# Altium PCB PCB ASCII (pokey v1.0-A01).PcbDoc (part 4 of 5)
Units mil, origin at the board's own origin, x right, y up, seen from the top; angles counter-clockwise.
Board outline 14208.66 x 3708.66 mil, 4 copper layers (Top Layer, Mid-Layer 1, Mid-Layer 2, Bottom Layer), stack 61.2 mil thick; 385 components, 209 nets, 1413 pads, 947 vias.
Unrouted connection lines stored in the file: 121.
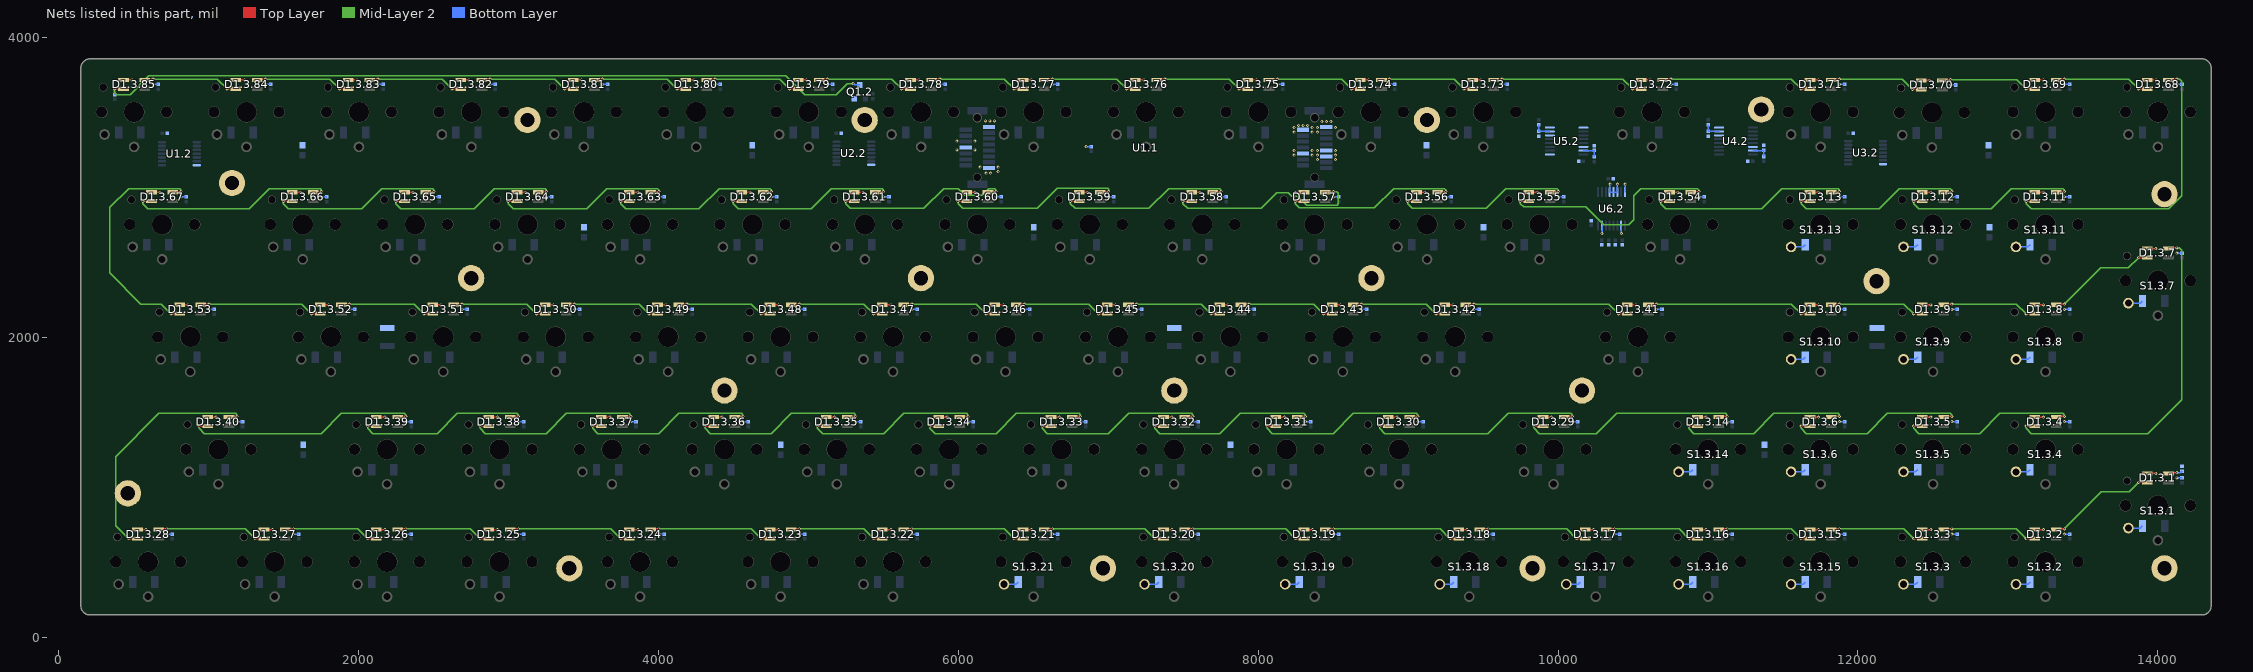
[diagram p6: the nets of this part, all layers, seen from the top]

## Via types
v1: diameter 20, hole 10, Top Layer to Bottom Layer, tented both sides, 946 vias
v2: diameter 20, hole 10, Top Layer to Bottom Layer, 1 vias

## Nets (pads, with @x,y where several pads share a name; then routed paths per layer and width w, separated by ;. In a path a pad name is that pad's centre, name@x,y a point inside that pad or via, vN(x,y) a via of type N, cw(c..) or ccw(c..) an arc to the next point about the centre after c; other vN are vias at no path point) (continued)
GND: C1.1.1 C1.2.2 C1.3.1.2 C1.3.2.2 C1.3.3.2 C1.3.4.2 C1.3.5.2 C1.3.6.2 C1.3.7.2 C1.3.8.2 C1.3.9.2 C1.3.10.2 C1.3.11.2 C1.3.12.2 C1.3.13.2 C1.3.14.2 C1.3.15.2 C1.3.16.2 C1.3.17.2 C1.3.18.2 C1.3.19.2 C1.3.20.2 C1.3.21.2 C1.3.22.2 C1.3.23.2 C1.3.24.2 C1.3.25.2 C1.3.26.2 C1.3.27.2 C1.3.28.2 C1.3.29.2 C1.3.30.2 C1.3.31.2 C1.3.32.2 C1.3.33.2 C1.3.34.2 C1.3.35.2 C1.3.36.2 C1.3.37.2 C1.3.38.2 C1.3.39.2 C1.3.40.2 C1.3.41.2 C1.3.42.2 C1.3.43.2 C1.3.44.2 C1.3.45.2 C1.3.46.2 C1.3.47.2 C1.3.48.2 C1.3.49.2 C1.3.50.2 C1.3.51.2 C1.3.52.2 C1.3.53.2 C1.3.54.2 C1.3.55.2 C1.3.56.2 C1.3.57.2 C1.3.58.2 C1.3.59.2 C1.3.60.2 C1.3.61.2 C1.3.62.2 C1.3.63.2 C1.3.64.2 C1.3.65.2 C1.3.66.2 C1.3.67.2 C1.3.68.2 C1.3.69.2 C1.3.70.2 C1.3.71.2 C1.3.72.2 C1.3.73.2 C1.3.74.2 C1.3.75.2 C1.3.76.2 C1.3.77.2 C1.3.78.2 C1.3.79.2 C1.3.80.2 C1.3.81.2 C1.3.82.2 C1.3.83.2 C1.3.84.2 C1.3.85.2 C2.1.1 C2.2.2 C3.1.1 C3.2.2 C4.1.1 C4.2.1 C5.1.1 C5.2.2 C6.1.1 C6.2.2 C7.1.1 C7.2.1 C8.1.1 C8.2.2 C9.1.1 C9.2.1 C10.1.1 C10.2.2 C11.1.1 C12.1.1 C13.1.1 C14.1.1 C15.1.1 D1.3.1.3 D1.3.2.3 D1.3.3.3 D1.3.4.3 D1.3.5.3 D1.3.6.3 D1.3.7.3 D1.3.8.3 D1.3.9.3 D1.3.10.3 D1.3.11.3 D1.3.12.3 D1.3.13.3 D1.3.14.3 D1.3.15.3 D1.3.16.3 D1.3.17.3 D1.3.18.3 D1.3.19.3 D1.3.20.3 D1.3.21.3 D1.3.22.3 D1.3.23.3 D1.3.24.3 D1.3.25.3 D1.3.26.3 D1.3.27.3 D1.3.28.3 D1.3.29.3 D1.3.30.3 D1.3.31.3 D1.3.32.3 D1.3.33.3 D1.3.34.3 D1.3.35.3 D1.3.36.3 D1.3.37.3 D1.3.38.3 D1.3.39.3 D1.3.40.3 D1.3.41.3 D1.3.42.3 D1.3.43.3 D1.3.44.3 D1.3.45.3 D1.3.46.3 D1.3.47.3 D1.3.48.3 D1.3.49.3 D1.3.50.3 D1.3.51.3 D1.3.52.3 D1.3.53.3 D1.3.54.3 D1.3.55.3 D1.3.56.3 D1.3.57.3 D1.3.58.3 D1.3.59.3 D1.3.60.3 D1.3.61.3 D1.3.62.3 D1.3.63.3 D1.3.64.3 D1.3.65.3 D1.3.66.3 D1.3.67.3 D1.3.68.3 D1.3.69.3 D1.3.70.3 D1.3.71.3 D1.3.72.3 D1.3.73.3 D1.3.74.3 D1.3.75.3 D1.3.76.3 D1.3.77.3 D1.3.78.3 D1.3.79.3 D1.3.80.3 D1.3.81.3 D1.3.82.3 D1.3.83.3 D1.3.84.3 D1.3.85.3 pad.0 Q1.2.2 R6.2.1 R8.2.1 R9.2.1 R10.2.1 R11.2.1 R12.2.1 U1.1.1 U1.1.2 U1.1.9 U1.1.10 U1.1.11 U1.1.16 U1.1.23 U1.1.30 U1.2.7 U2.2.7 U3.2.7 U4.2.6 U4.2.8 U4.2.14 U5.2.1 U5.2.6 U5.2.8 U5.2.9 U5.2.14 U6.2.4 U6.2.5 U6.2.6 U6.2.8 U6.2.10 U6.2.15 | length 8112.8
  Top Layer w10: D1.3.85.3@430.55,3717.93 486.63,3717.93 v1(487.07,3717.5) ; D1.3.28.3@524.3,717.93 580.38,717.93 v1(580.82,717.5) ; D1.3.67.3@618.05,2967.93 674.13,2967.93 v1(674.57,2967.5) ; D1.3.53.3@805.55,2217.93 861.63,2217.93 v1(862.07,2217.5) ; D1.3.40.3@993.05,1467.93 1049.13,1467.93 v1(1049.57,1467.5) ; D1.3.84.3@1180.55,3717.93 1236.63,3717.93 v1(1237.07,3717.5) ; D1.3.27.3@1368.05,717.93 1424.13,717.93 v1(1424.57,717.5) ; D1.3.66.3@1555.55,2967.93 1611.63,2967.93 v1(1612.07,2967.5) ; D1.3.52.3@1743.05,2217.93 1799.13,2217.93 v1(1799.57,2217.5) ; D1.3.83.3@1930.55,3717.93 1986.63,3717.93 v1(1987.07,3717.5) ; D1.3.26.3@2118.05,717.93 2174.13,717.93 v1(2174.57,717.5) ; D1.3.39.3@2118.05,1467.93 2174.13,1467.93 v1(2174.57,1467.5) ; D1.3.65.3@2305.55,2967.93 2361.63,2967.93 v1(2362.07,2967.5) ; D1.3.51.3@2493.05,2217.93 2549.13,2217.93 v1(2549.57,2217.5) ; D1.3.82.3@2680.55,3717.93 2736.63,3717.93 v1(2737.07,3717.5) ; D1.3.25.3@2868.05,717.93 2924.13,717.93 v1(2924.57,717.5) ; D1.3.38.3@2868.05,1467.93 2924.13,1467.93 v1(2924.57,1467.5) ; D1.3.64.3@3055.55,2967.93 3111.63,2967.93 v1(3112.07,2967.5) ; D1.3.50.3@3243.05,2217.93 3299.13,2217.93 v1(3299.57,2217.5) ; D1.3.81.3@3430.55,3717.93 3486.63,3717.93 v1(3487.07,3717.5) ; D1.3.37.3@3618.05,1467.93 3674.13,1467.93 v1(3674.57,1467.5) ; D1.3.24.3@3805.55,717.93 3861.63,717.93 v1(3862.07,717.5) ; D1.3.63.3@3805.55,2967.93 3861.63,2967.93 v1(3862.07,2967.5) ; D1.3.49.3@3993.05,2217.93 4049.13,2217.93 v1(4049.57,2217.5) ; D1.3.80.3@4180.55,3717.93 4236.63,3717.93 v1(4237.07,3717.5) ; D1.3.36.3@4368.05,1467.93 4424.13,1467.93 v1(4424.57,1467.5) ; D1.3.62.3@4555.55,2967.93 4611.63,2967.93 v1(4612.07,2967.5) ; D1.3.23.3@4743.05,717.93 4799.13,717.93 v1(4799.57,717.5) ; D1.3.48.3@4743.05,2217.93 4799.13,2217.93 v1(4799.57,2217.5) ; D1.3.79.3@4930.55,3717.93 4986.63,3717.93 v1(4987.07,3717.5) ; D1.3.35.3@5118.05,1467.93 5174.13,1467.93 v1(5174.57,1467.5) ; D1.3.61.3@5305.55,2967.93 5361.63,2967.93 v1(5362.07,2967.5) ; D1.3.22.3@5493.05,717.93 5549.13,717.93 v1(5549.57,717.5) ; D1.3.47.3@5493.05,2217.93 5549.13,2217.93 v1(5549.57,2217.5) ; D1.3.78.3@5680.55,3717.93 5736.63,3717.93 v1(5737.07,3717.5) ; D1.3.34.3@5868.05,1467.93 5924.13,1467.93 v1(5924.57,1467.5) ; D1.3.60.3@6055.55,2967.93 6111.63,2967.93 v1(6112.07,2967.5) ; D1.3.46.3@6243.05,2217.93 6299.13,2217.93 v1(6299.57,2217.5) ; D1.3.21.3@6430.55,717.93 6486.63,717.93 v1(6487.07,717.5) ; D1.3.77.3@6430.55,3717.93 6486.63,3717.93 v1(6487.07,3717.5) ; D1.3.33.3@6618.05,1467.93 6674.13,1467.93 v1(6674.57,1467.5) ; D1.3.59.3@6805.55,2967.93 6861.63,2967.93 v1(6862.07,2967.5) ; D1.3.45.3@6993.05,2217.93 7049.13,2217.93 v1(7049.57,2217.5) ; D1.3.76.3@7180.55,3717.93 7236.63,3717.93 v1(7237.07,3717.5) ; D1.3.20.3@7368.05,717.93 7424.13,717.93 v1(7424.57,717.5) ; D1.3.32.3@7368.05,1467.93 7424.13,1467.93 v1(7424.57,1467.5) ; D1.3.58.3@7555.55,2967.93 7611.63,2967.93 v1(7612.07,2967.5) ; D1.3.44.3@7743.05,2217.93 7799.13,2217.93 v1(7799.57,2217.5) ; D1.3.75.3@7930.55,3717.93 7986.63,3717.93 v1(7987.07,3717.5) ; D1.3.31.3@8118.05,1467.93 8174.13,1467.93 v1(8174.57,1467.5) ; v1(8250,2965) 8302.61,2965 D1.3.57.3@8305.55,2967.93 ; D1.3.19.3@8305.55,717.93 8361.63,717.93 v1(8362.07,717.5) ; D1.3.43.3@8493.05,2217.93 8549.13,2217.93 v1(8549.57,2217.5) ; D1.3.74.3@8680.55,3717.93 8736.63,3717.93 v1(8737.07,3717.5) ; D1.3.30.3@8868.05,1467.93 8924.13,1467.93 v1(8924.57,1467.5) ; D1.3.56.3@9055.55,2967.93 9111.63,2967.93 v1(9112.07,2967.5) ; D1.3.42.3@9243.05,2217.93 9299.13,2217.93 v1(9299.57,2217.5) ; D1.3.18.3@9336.8,717.93 9392.88,717.93 v1(9393.32,717.5) ; D1.3.73.3@9430.55,3717.93 9486.63,3717.93 v1(9487.07,3717.5) ; D1.3.55.3@9805.55,2967.93 9861.63,2967.93 v1(9862.07,2967.5) ; D1.3.29.3@9899.3,1467.93 9955.38,1467.93 v1(9955.82,1467.5) ; D1.3.17.3@10180.55,717.93 10236.63,717.93 v1(10237.07,717.5) ; D1.3.41.3@10461.8,2217.93 10517.88,2217.93 v1(10518.32,2217.5) ; D1.3.72.3@10555.55,3717.93 10611.63,3717.93 v1(10612.07,3717.5) ; D1.3.54.3@10743.05,2967.93 10799.13,2967.93 v1(10799.57,2967.5) ; D1.3.16.3@10930.55,717.93 10986.63,717.93 v1(10987.07,717.5) ; D1.3.14.3@10930.55,1467.93 10986.63,1467.93 v1(10987.07,1467.5) ; D1.3.15.3@11680.55,717.93 11736.63,717.93 v1(11737.07,717.5) ; D1.3.6.3@11680.55,1467.93 11736.63,1467.93 v1(11737.07,1467.5) ; D1.3.10.3@11680.55,2217.93 11736.63,2217.93 v1(11737.07,2217.5) ; D1.3.13.3@11680.55,2967.93 11736.63,2967.93 v1(11737.07,2967.5) ; D1.3.71.3@11680.55,3717.93 11736.63,3717.93 v1(11737.07,3717.5) ; D1.3.70.3@12422.34,3714.12 12478.42,3714.12 v1(12478.86,3713.68) ; D1.3.3.3@12430.55,717.93 12486.63,717.93 v1(12487.07,717.5) ; D1.3.5.3@12430.55,1467.93 12486.63,1467.93 v1(12487.07,1467.5) ; D1.3.9.3@12430.55,2217.93 12486.63,2217.93 v1(12487.07,2217.5) ; D1.3.12.3@12430.55,2967.93 12486.63,2967.93 v1(12487.07,2967.5) ; D1.3.2.3@13180.55,717.93 13236.63,717.93 v1(13237.07,717.5) ; D1.3.4.3@13180.55,1467.93 13236.63,1467.93 v1(13237.07,1467.5) ; D1.3.8.3@13180.55,2217.93 13236.63,2217.93 v1(13237.07,2217.5) ; D1.3.11.3@13180.55,2967.93 13236.63,2967.93 v1(13237.07,2967.5) ; D1.3.69.3@13180.55,3717.93 13236.63,3717.93 v1(13237.07,3717.5) ; D1.3.1.3@13930.55,1092.93 13986.63,1092.93 v1(13987.07,1092.5) ; D1.3.7.3@13930.55,2592.93 13986.63,2592.93 v1(13987.07,2592.5) ; D1.3.68.3@13930.55,3717.93 13986.63,3717.93 v1(13987.07,3717.5)
  Bottom Layer w10: v1(627.07,3687.5) C1.3.85.2@662.07,3687.5 ; v1(720.82,687.5) C1.3.28.2@755.82,687.5 ; v1(814.57,2937.5) C1.3.67.2@849.57,2937.5 ; v1(1002.07,2187.5) C1.3.53.2@1037.07,2187.5 ; v1(1189.57,1437.5) C1.3.40.2@1224.57,1437.5 ; v1(1377.07,3687.5) C1.3.84.2@1412.07,3687.5 ; v1(1564.57,687.5) C1.3.27.2@1599.57,687.5 ; v1(1752.07,2937.5) C1.3.66.2@1787.07,2937.5 ; v1(1939.57,2187.5) C1.3.52.2@1974.57,2187.5 ; v1(2127.07,3687.5) C1.3.83.2@2162.07,3687.5 ; v1(2314.57,687.5) C1.3.26.2@2349.57,687.5 ; v1(2314.57,1437.5) C1.3.39.2@2349.57,1437.5 ; v1(2502.07,2937.5) C1.3.65.2@2537.07,2937.5 ; v1(2689.57,2187.5) C1.3.51.2@2724.57,2187.5 ; v1(2877.07,3687.5) C1.3.82.2@2912.07,3687.5 ; v1(3064.57,687.5) C1.3.25.2@3099.57,687.5 ; v1(3064.57,1437.5) C1.3.38.2@3099.57,1437.5 ; v1(3252.07,2937.5) C1.3.64.2@3287.07,2937.5 ; v1(3439.57,2187.5) C1.3.50.2@3474.57,2187.5 ; v1(3627.07,3687.5) C1.3.81.2@3662.07,3687.5 ; v1(3814.57,1437.5) C1.3.37.2@3849.57,1437.5 ; v1(4002.07,687.5) C1.3.24.2@4037.07,687.5 ; v1(4002.07,2937.5) C1.3.63.2@4037.07,2937.5 ; v1(4189.57,2187.5) C1.3.49.2@4224.57,2187.5 ; v1(4377.07,3687.5) C1.3.80.2@4412.07,3687.5 ; v1(4564.57,1437.5) C1.3.36.2@4599.57,1437.5 ; v1(4752.07,2937.5) C1.3.62.2@4787.07,2937.5 ; v1(4939.57,687.5) C1.3.23.2@4974.57,687.5 ; v1(4939.57,2187.5) C1.3.48.2@4974.57,2187.5 ; v1(5127.07,3687.5) C1.3.79.2@5162.07,3687.5 ; v1(5314.57,1437.5) C1.3.35.2@5349.57,1437.5 ; v1(5502.07,2937.5) C1.3.61.2@5537.07,2937.5 ; v1(5689.57,687.5) C1.3.22.2@5724.57,687.5 ; v1(5689.57,2187.5) C1.3.47.2@5724.57,2187.5 ; v1(5877.07,3687.5) C1.3.78.2@5912.07,3687.5 ; v1(6064.57,1437.5) C1.3.34.2@6099.57,1437.5 ; v1(6252.07,2937.5) C1.3.60.2@6287.07,2937.5 ; v1(6439.57,2187.5) C1.3.46.2@6474.57,2187.5 ; v1(6627.07,687.5) C1.3.21.2@6662.07,687.5 ; v1(6627.07,3687.5) C1.3.77.2@6662.07,3687.5 ; v1(6814.57,1437.5) C1.3.33.2@6849.57,1437.5 ; v1(6852.07,3272.5) C1.3.76.2@6887.07,3272.5 ; v1(7002.07,2937.5) C1.3.59.2@7037.07,2937.5 ; v1(7189.57,2187.5) C1.3.45.2@7224.57,2187.5 ; v1(7564.57,687.5) C1.3.20.2@7599.57,687.5 ; v1(7564.57,1437.5) C1.3.32.2@7599.57,1437.5 ; v1(7752.07,2937.5) C1.3.58.2@7787.07,2937.5 ; v1(7939.57,2187.5) C1.3.44.2@7974.57,2187.5 ; v1(8127.07,3687.5) C1.3.75.2@8162.07,3687.5 ; v1(8314.57,1437.5) C1.3.31.2@8349.57,1437.5 ; v1(8502.07,687.5) C1.3.19.2@8537.07,687.5 ; v1(8502.07,2937.5) C1.3.57.2@8537.07,2937.5 ; v1(8689.57,2187.5) C1.3.43.2@8724.57,2187.5 ; v1(8877.07,3687.5) C1.3.74.2@8912.07,3687.5 ; v1(9064.57,1437.5) C1.3.30.2@9099.57,1437.5 ; v1(9252.07,2937.5) C1.3.56.2@9287.07,2937.5 ; v1(9439.57,2187.5) C1.3.42.2@9474.57,2187.5 ; v1(9533.32,687.5) C1.3.18.2@9568.32,687.5 ; v1(9627.07,3687.5) C1.3.73.2@9662.07,3687.5 ; v1(10002.07,2937.5) C1.3.55.2@10037.07,2937.5 ; v1(10095.82,1437.5) C1.3.29.2@10130.82,1437.5 ; v1(10292.5,2692.5) 10293.3,2693.3 U6.2.15@10293.3,2745.22 ; v1(10347.5,3022.5) 10347.5,3019.79 10344.48,3016.78 U6.2.4@10344.48,2969.63 U6.2.5@10370.07,2969.63 U6.2.6@10395.67,2969.63 10395.67,3020.67 v1(10397.5,3022.5) ; v1(10377.07,687.5) C1.3.17.2@10412.07,687.5 ; U6.2.10@10421.26,2745.22 10421.26,2693.74 v1(10422.5,2692.5) ; U6.2.8@10446.85,2969.63 10447.5,2970.28 v1(10447.5,3022.5) ; v1(10658.32,2187.5) C1.3.41.2@10693.32,2187.5 ; v1(10752.07,3687.5) C1.3.72.2@10787.07,3687.5 ; v1(10939.57,2937.5) C1.3.54.2@10974.57,2937.5 ; v1(11127.07,687.5) C1.3.16.2@11162.07,687.5 ; v1(11127.07,1437.5) C1.3.14.2@11162.07,1437.5 ; v1(11877.07,687.5) C1.3.15.2@11912.07,687.5 ; v1(11877.07,1437.5) C1.3.6.2@11912.07,1437.5 ; v1(11877.07,2187.5) C1.3.10.2@11912.07,2187.5 ; v1(11877.07,2937.5) C1.3.13.2@11912.07,2937.5 ; v1(11877.07,3687.5) C1.3.71.2@11912.07,3687.5 ; v1(12618.86,3683.68) C1.3.70.2@12653.86,3683.68 ; v1(12627.07,687.5) C1.3.3.2@12662.07,687.5 ; v1(12627.07,1437.5) C1.3.5.2@12662.07,1437.5 ; v1(12627.07,2187.5) C1.3.9.2@12662.07,2187.5 ; v1(12627.07,2937.5) C1.3.12.2@12662.07,2937.5 ; v1(13377.07,687.5) C1.3.2.2@13412.07,687.5 ; v1(13377.07,1437.5) C1.3.4.2@13412.07,1437.5 ; v1(13377.07,2187.5) C1.3.8.2@13412.07,2187.5 ; v1(13377.07,2937.5) C1.3.11.2@13412.07,2937.5 ; v1(13377.07,3687.5) C1.3.69.2@13412.07,3687.5 ; v1(14127.07,1062.5) C1.3.1.2@14162.07,1062.5 ; v1(14127.07,2562.5) C1.3.7.2@14162.07,2562.5 ; v1(14127.07,3687.5) C1.3.68.2@14162.07,3687.5
  other v1: 6185,3095 6215,3095 6265,3105 6145,3135 6265,3135 8395,3185 8515,3185 8240,3215 8360,3215 8395,3215 8515,3215 8240,3245 8360,3245 8395,3245 8515,3245 5990,3250 6110,3250 5990,3310 6110,3310 8240,3370 8360,3370 8395,3370 8240,3400 8360,3400 8395,3400 8515,3400 8270,3415 8300,3415 8330,3415 8425,3440 8455,3440 8485,3440 6180,3445 6210,3445 6240,3445 7377.07,3687.5
NetC4.2_2: C4.2.2 R1.2.1 U4.2.15 | length 117.5
  Bottom Layer w10: U4.2.15@11298.98,3245.59 11367.5,3245.59 C4.2.2@11371.7,3249.79 R1.2.1@11371.7,3206.76
NetC6.2_1: C6.2.1 R2.2.1 U4.2.7 | length 118.4
  Bottom Layer w10: R2.2.1@11001.7,3419.79 C6.2.1@11001.7,3374.79 11045.73,3374.79 11046.97,3373.54 U4.2.7@11074.57,3373.54
NetC7.2_2: C7.2.2 R5.2.1 U5.2.15 | length 116.7
  Bottom Layer w10: U5.2.15@10169.41,3245.59 10239.9,3245.59 C7.2.2@10242.13,3247.82 R5.2.1@10242.13,3204.79
NetC9.2_2: C9.2.2 R7.2.1 U5.2.7 | length 118.4
  Bottom Layer w10: R7.2.1@9872.13,3419.79 C9.2.2@9872.13,3374.79 9873.37,3373.54 U5.2.7@9945,3373.54
NetD1.3.1_2: D1.3.1.2 R11.2.2 | length 96
  Top Layer w10: D1.3.1.2@14072.28,1092.93 14076.85,1097.5 v1(14127.07,1097.5)
  Bottom Layer w10: v1(14127.07,1097.5) 14151.53,1097.5 R11.2.2@14162.07,1108.03
NetD1.3.1_4: D1.3.1.4 D1.3.2.2 | length 739.1
  Top Layer w10: D1.3.2.2@13322.28,717.93 13326.85,722.5 v1(13377.07,722.5) ; v1(13872.07,1032.5) 13929.17,1032.5 D1.3.1.4@13930.55,1033.88
  Mid-Layer 2 w10: v1(13377.07,722.5) 13624.57,970 13809.57,970 v1(13872.07,1032.5)
NetD1.3.2_4: D1.3.2.4 D1.3.3.2 | length 637.7
  Top Layer w10: D1.3.3.2@12572.28,717.93 12576.85,722.5 v1(12627.07,722.5) ; v1(13122.07,657.5) 13179.17,657.5 D1.3.2.4@13180.55,658.88
  Mid-Layer 2 w10: v1(12627.07,722.5) 13057.07,722.5 v1(13122.07,657.5)
NetD1.3.3_4: D1.3.3.4 D1.3.15.2 | length 637.7
  Top Layer w10: D1.3.15.2@11822.28,717.93 11826.85,722.5 v1(11877.07,722.5) ; v1(12372.07,657.5) 12429.17,657.5 D1.3.3.4@12430.55,658.88
  Mid-Layer 2 w10: v1(11877.07,722.5) 12307.07,722.5 v1(12372.07,657.5)
NetD1.3.4_2: D1.3.4.2 D1.3.5.4 | length 1219.5
  Top Layer w10: v1(12372.07,1407.5) 12429.17,1407.5 D1.3.5.4@12430.55,1408.88 ; D1.3.4.2@13322.28,1467.93 13326.85,1472.5 v1(13377.07,1472.5)
  Mid-Layer 2 w10: v1(12372.07,1407.5) 12372.46,1407.11 12372.46,1392.54 12406.5,1358.5 12813.5,1358.5 12947.5,1492.5 13367.5,1492.5 13375.15,1484.85 13375.15,1474.41 v1(13377.07,1472.5)
NetD1.3.4_4: D1.3.4.4 D1.3.7.2 | length 2311.5
  Top Layer w10: v1(13122.07,1407.5) 13179.17,1407.5 D1.3.4.4@13180.55,1408.88 ; D1.3.7.2@14072.28,2592.93 14076.85,2597.5 v1(14127.07,2597.5)
  Mid-Layer 2 w10: v1(13122.07,1407.5) 13122.46,1407.11 13122.46,1392.54 13156.5,1358.5 13933.5,1358.5 14160,1585 14160,2580 14142.5,2597.5 v1(14127.07,2597.5)
NetD1.3.5_2: D1.3.5.2 D1.3.6.4 | length 1219.5
  Top Layer w10: v1(11622.07,1407.5) 11679.17,1407.5 D1.3.6.4@11680.55,1408.88 ; D1.3.5.2@12572.28,1467.93 12576.85,1472.5 v1(12627.07,1472.5)
  Mid-Layer 2 w10: v1(11622.07,1407.5) 11622.46,1407.11 11622.46,1392.54 11656.5,1358.5 12063.5,1358.5 12197.5,1492.5 12617.5,1492.5 12625.15,1484.85 12625.15,1474.41 v1(12627.07,1472.5)
NetD1.3.6_2: D1.3.6.2 D1.3.14.4 | length 1219.5
  Top Layer w10: v1(10872.07,1407.5) 10929.17,1407.5 D1.3.14.4@10930.55,1408.88 ; D1.3.6.2@11822.28,1467.93 11826.85,1472.5 v1(11877.07,1472.5)
  Mid-Layer 2 w10: v1(10872.07,1407.5) 10872.46,1407.11 10872.46,1392.54 10906.5,1358.5 11305.69,1358.5 11439.69,1492.5 11867.5,1492.5 11875.15,1484.85 11875.15,1474.41 v1(11877.07,1472.5)
NetD1.3.7_4: D1.3.7.4 D1.3.8.2 | length 739.1
  Top Layer w10: D1.3.8.2@13322.28,2217.93 13326.85,2222.5 v1(13377.07,2222.5) ; v1(13872.07,2532.5) 13929.17,2532.5 D1.3.7.4@13930.55,2533.88
  Mid-Layer 2 w10: v1(13377.07,2222.5) 13619.57,2465 13804.57,2465 v1(13872.07,2532.5)
NetD1.3.8_4: D1.3.8.4 D1.3.9.2 | length 637.7
  Top Layer w10: D1.3.9.2@12572.28,2217.93 12576.85,2222.5 v1(12627.07,2222.5) ; v1(13122.07,2157.5) 13179.17,2157.5 D1.3.8.4@13180.55,2158.88
  Mid-Layer 2 w10: v1(12627.07,2222.5) 13057.07,2222.5 v1(13122.07,2157.5)
NetD1.3.9_4: D1.3.9.4 D1.3.10.2 | length 637.7
  Top Layer w10: D1.3.10.2@11822.28,2217.93 11826.85,2222.5 v1(11877.07,2222.5) ; v1(12372.07,2157.5) 12429.17,2157.5 D1.3.9.4@12430.55,2158.88
  Mid-Layer 2 w10: v1(11877.07,2222.5) 12307.07,2222.5 v1(12372.07,2157.5)
NetD1.3.10_4: D1.3.10.4 D1.3.41.2 | length 1106.4
  Top Layer w10: D1.3.41.2@10603.53,2217.93 10608.1,2222.5 v1(10658.32,2222.5) ; v1(11622.07,2157.5) 11679.17,2157.5 D1.3.10.4@11680.55,2158.88
  Mid-Layer 2 w10: v1(10658.32,2222.5) 11557.07,2222.5 v1(11622.07,2157.5)
NetD1.3.11_2: D1.3.11.2 D1.3.12.4 | length 1219.5
  Top Layer w10: v1(12372.07,2907.5) 12429.17,2907.5 D1.3.12.4@12430.55,2908.88 ; D1.3.11.2@13322.28,2967.93 13326.85,2972.5 v1(13377.07,2972.5)
  Mid-Layer 2 w10: v1(12372.07,2907.5) 12372.46,2907.11 12372.46,2892.54 12406.5,2858.5 12888.5,2858.5 13022.5,2992.5 13367.5,2992.5 13375.15,2984.85 13375.15,2974.41 v1(13377.07,2972.5)
NetD1.3.11_4: D1.3.11.4 D1.3.68.2 | length 2021.4
  Top Layer w10: v1(13122.07,2907.5) 13179.17,2907.5 D1.3.11.4@13180.55,2908.88 ; D1.3.68.2@14072.28,3717.93 14076.85,3722.5 v1(14127.07,3722.5)
  Mid-Layer 2 w10: v1(13122.07,2907.5) 13122.46,2907.11 13122.46,2892.54 13156.5,2858.5 14073.5,2858.5 14160,2945 14160,3710 14147.5,3722.5 v1(14127.07,3722.5)
NetD1.3.12_2: D1.3.12.2 D1.3.13.4 | length 1219.5
  Top Layer w10: v1(11622.07,2907.5) 11679.17,2907.5 D1.3.13.4@11680.55,2908.88 ; D1.3.12.2@12572.28,2967.93 12576.85,2972.5 v1(12627.07,2972.5)
  Mid-Layer 2 w10: v1(11622.07,2907.5) 11622.46,2907.11 11622.46,2892.54 11656.5,2858.5 12143.5,2858.5 12277.5,2992.5 12617.5,2992.5 12625.15,2984.85 12625.15,2974.41 v1(12627.07,2972.5)
NetD1.3.13_2: D1.3.13.2 D1.3.54.4 | length 1407
  Top Layer w10: v1(10684.57,2907.5) 10741.67,2907.5 D1.3.54.4@10743.05,2908.88 ; D1.3.13.2@11822.28,2967.93 11826.85,2972.5 v1(11877.07,2972.5)
  Mid-Layer 2 w10: v1(10684.57,2907.5) 10684.96,2907.11 10684.96,2892.54 10719,2858.5 11358.5,2858.5 11492.5,2992.5 11867.5,2992.5 11875.15,2984.85 11875.15,2974.41 v1(11877.07,2972.5)
NetD1.3.14_2: D1.3.14.2 D1.3.29.4 | length 1500.7
  Top Layer w10: v1(9840.82,1407.5) 9897.92,1407.5 D1.3.29.4@9899.3,1408.88 ; D1.3.14.2@11072.28,1467.93 11076.85,1472.5 v1(11127.07,1472.5)
  Mid-Layer 2 w10: v1(9840.82,1407.5) 9841.21,1407.11 9841.21,1392.54 9875.25,1358.5 10256.25,1358.5 10390.25,1492.5 11117.5,1492.5 11125.15,1484.85 11125.15,1474.41 v1(11127.07,1472.5)
NetD1.3.15_4: D1.3.15.4 D1.3.16.2 | length 637.7
  Top Layer w10: D1.3.16.2@11072.28,717.93 11076.85,722.5 v1(11127.07,722.5) ; v1(11622.07,657.5) 11679.17,657.5 D1.3.15.4@11680.55,658.88
  Mid-Layer 2 w10: v1(11127.07,722.5) 11557.07,722.5 v1(11622.07,657.5)
NetD1.3.16_4: D1.3.16.4 D1.3.17.2 | length 637.7
  Top Layer w10: D1.3.17.2@10322.28,717.93 10326.85,722.5 v1(10377.07,722.5) ; v1(10872.07,657.5) 10929.17,657.5 D1.3.16.4@10930.55,658.88
  Mid-Layer 2 w10: v1(10377.07,722.5) 10807.07,722.5 v1(10872.07,657.5)
NetD1.3.17_4: D1.3.17.4 D1.3.18.2 | length 731.4
  Top Layer w10: D1.3.18.2@9478.53,717.93 9483.1,722.5 v1(9533.32,722.5) ; v1(10122.07,657.5) 10179.17,657.5 D1.3.17.4@10180.55,658.88
  Mid-Layer 2 w10: v1(9533.32,722.5) 10057.07,722.5 v1(10122.07,657.5)
NetD1.3.18_4: D1.3.18.4 D1.3.19.2 | length 918.9
  Top Layer w10: D1.3.19.2@8447.28,717.93 8451.84,722.5 v1(8502.07,722.5) ; v1(9278.32,657.5) 9335.42,657.5 D1.3.18.4@9336.8,658.88